# Altium PCB VOU_SOM_CV_V0.0.1.PcbDoc (part 1 of 4) (continued)
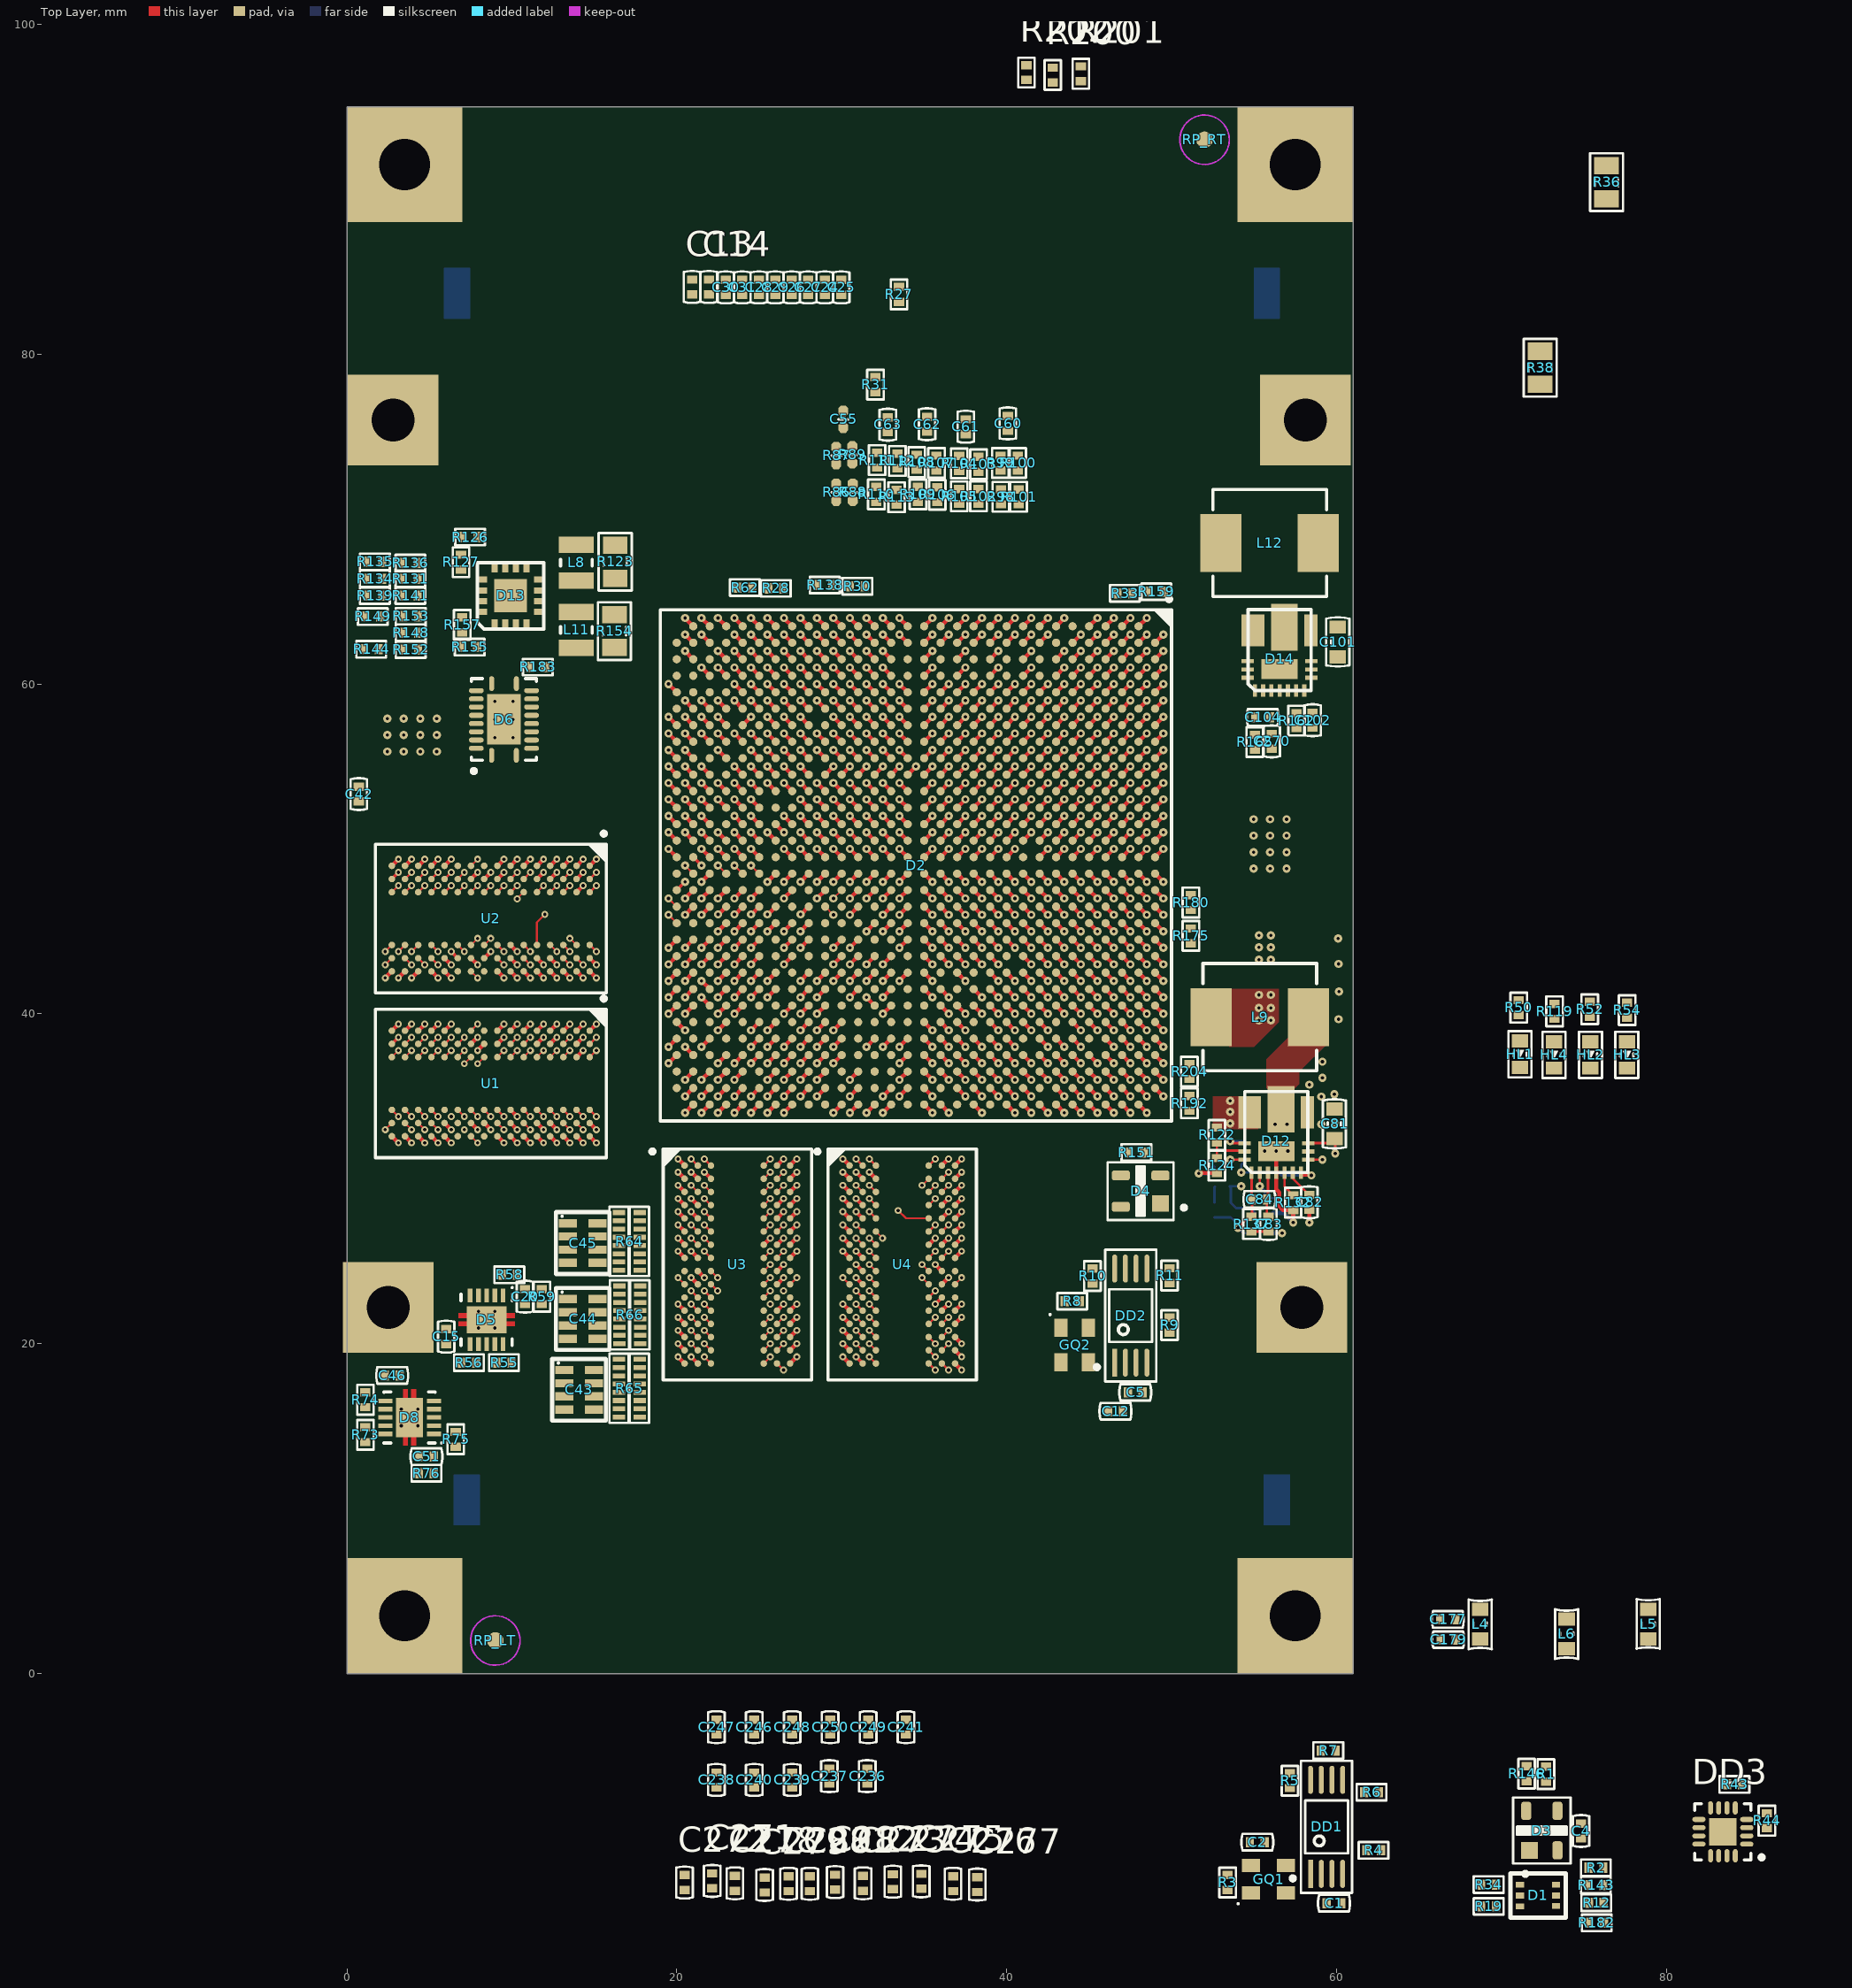
[diagram p0: Top Layer view]
## Components (designator, comment, footprint, x,y, rotation, side; value= is the part's Value field where it differs from the comment)
C1 "CC0402-X7R-0,1 мкФ-20%-10В" CC0402(1005) 59.85,-13.925 r0 top
C2 "CC0402-X7R-0,01 мкФ-10%-50В" CC0402(1005) 55.2,-10.225 r180 top
C3 "CC0402-X7R-0,1 мкФ-20%-10В" CC0402(1005) 72.175,-13.5 r180 bottom
C4 "CC0402-X7R-0,01 мкФ-10%-50В" CC0402(1005) 74.825,-9.55 r90 top
C5 "CC0402-X7R-0,1 мкФ-20%-10В" CC0402(1005) 47.8,17.05 r0 top
C6 "W3A4YC104KAT2A" CAF-80P319X159-8N 7.8,27.425 r90 bottom
C7 "W3A4YC104KAT2A" CAF-80P319X159-8N 12.15,27.55 r90 bottom
C8 "W3A4YC104KAT2A" CAF-80P319X159-8N 3.075,27.375 r90 bottom
C9 "CC0402-X7R-0,1 мкФ-20%-10В" CC0402(1005) 83.625,-8.15 r0 bottom
C10 "CC0402-X5R-10 мкФ-20%-6.3В" CC0402(1005) 84.875,-9.4 r90 bottom
C11 "CC0402-X7R-0,01 мкФ-10%-50В" CC0402(1005) 47.092,29.297 r180 bottom
C12 "CC0402-X7R-0,01 мкФ-10%-50В" CC0402(1005) 46.6,15.9 r180 top
C13 "CC0402-X7R-0,1 мкФ-20%-10В" CC0402(1005) 20.925,84.075 r90 top
C14 "CC0402-X7R-0,1 мкФ-20%-10В" CC0402(1005) 21.95,84.075 r90 top
C15 "CC0402-X7R-0,1 мкФ-20%-10В" CC0402(1005) 6.025,20.425 r90 top
C16 "CC0402-X5R-22 мкФ-20%-6.3В" CC0402(1005) 9.725,20.25 r90 bottom
C17 "CC0402-X5R-22 мкФ-20%-6.3В" CC0402(1005) 7.45,22.975 r270 bottom
C18 "CC0402-X5R-22 мкФ-20%-6.3В" CC0402(1005) 8.475,22.975 r270 bottom
C19 "CC0402-X5R-22 мкФ-20%-6.3В" CC0402(1005) 9.475,23.725 r270 bottom
C20 "CC0402-NP01000 пФ-1%-50В" CC0402(1005) 10.8,22.85 r270 top
C24 "CC0402-X7R-0,1 мкФ-20%-10В" CC0402(1005) 28.975,84.05 r90 top
C25 "CC0402-X7R-0,1 мкФ-20%-10В" CC0402(1005) 29.975,84.05 r90 top
C26 "CC0402-X7R-0,1 мкФ-20%-10В" CC0402(1005) 26.975,84.05 r90 top
C27 "CC0402-X7R-0,1 мкФ-20%-10В" CC0402(1005) 27.975,84.05 r90 top
C28 "CC0402-X7R-0,1 мкФ-20%-10В" CC0402(1005) 24.975,84.05 r90 top
C29 "CC0402-X7R-0,1 мкФ-20%-10В" CC0402(1005) 25.975,84.05 r90 top
C30 "CC0402-X7R-0,1 мкФ-20%-10В" CC0402(1005) 22.975,84.05 r90 top
C31 "CC0402-X7R-0,1 мкФ-20%-10В" CC0402(1005) 23.975,84.05 r90 top
C34 "CC0402-X7R-0,1 мкФ-20%-10В" CC0402(1005) 9.75,55.7 r0 bottom
C35 "CC0402-X7R-0,1 мкФ-20%-10В" CC0402(1005) 7.95,57.15 r270 bottom
C42 "CC0402-X7R-0,1 мкФ-20%-10В" CC0402(1005) 0.725,53.325 r270 top
C43 "W3A4YC104KAT2A" CAF-80P319X159-8N 14.075,17.2 r0 top
C44 "W3A4YC104KAT2A" CAF-80P319X159-8N 14.3,21.5 r0 top
C45 "W3A4YC104KAT2A" CAF-80P319X159-8N 14.3,26.1 r0 top
C46 "CC0402-X7R-0,1 мкФ-20%-10В" CC0402(1005) 2.75,18.075 r0 top
C47 "CC0402-X5R-4.7 мкФ-20%-6.3В" CC0402(1005) 2.6,14.225 r0 bottom
C48 "CC0402-X5R-22 мкФ-20%-6.3В" CC0402(1005) 5.35,16.525 r180 bottom
C49 "CC0402-X5R-22 мкФ-20%-6.3В" CC0402(1005) 5.325,15.525 r180 bottom
C50 "CC0402-X5R-22 мкФ-20%-6.3В" CC0402(1005) 3.575,12.475 r90 bottom
C51 "CC0402-NP01000 пФ-1%-50В" CC0402(1005) 4.825,13.15 r180 top
C52 "CC0402-X7R-0,1 мкФ-20%-10В" CC0402(1005) 53.78,54.24 r180 bottom
C53 "CC0402-NP0-100 пФ-1%-50В" CC0402(1005)_OCT 50.075,75.375 r270 bottom
C54 "CC0402-NP0-100 пФ-1%-50В" CC0402(1005)_OCT 48.15,75.45 r270 bottom
C55 "CC0402-NP0-100 пФ-1%-50В" CC0402(1005)_OCT 30.1,76.05 r270 top
C56 "CC0402-NP0-100 пФ-1%-50В" CC0402(1005)_OCT 42.2,75.275 r270 bottom
C57 "CC0402-NP0-100 пФ-1%-50В" CC0402(1005)_OCT 45.15,75.425 r270 bottom
C60 "CC0402-NP0-100 пФ-1%-50В" CC0402(1005) 40.075,75.8 r270 top
C61 "CC0402-NP0-100 пФ-1%-50В" CC0402(1005) 37.525,75.6 r270 top
C62 "CC0402-NP0-100 пФ-1%-50В" CC0402(1005) 35.175,75.75 r270 top
C63 "CC0402-NP0-100 пФ-1%-50В" CC0402(1005) 32.8,75.725 r270 top
C64 "CC0402-NP0-100 пФ-1%-50В" CC0402(1005) 53.025,75.3 r270 bottom
C68 "CC0603-X5R-47 мкФ-20%-6,3В" CC0603 55.7,38.1 r0 bottom
C69 "CC0603-X5R-47 мкФ-20%-6,3В" CC0603 52.55,31.625 r270 bottom
C70 "CC0402-X7R-0,1 мкФ-20%-10В" CC0402(1005)_OCT 33,60 r270 bottom
C72 "CC0603-X5R-22 мкФ-20%-6,3В" CC0603 16.894,67.01 r0 bottom
C73 "CC0603-X5R-22 мкФ-20%-6,3В" CC0603 16.894,68.435 r0 bottom
C74 "CC0402-X7R-2200 пФ-10%-16В" CC0402(1005) 53.075,29.525 r0 bottom
C75 "CC0603-X5R-22 мкФ-20%-6,3В" CC0603 55.7,34.525 r0 bottom
C76 "CC0603-X5R-22 мкФ-20%-6,3В" CC0603 55.7,36.3 r0 bottom
C77 "CC0603-X5R-22 мкФ-20%-6,3В" CC0603 58.075,39.65 r0 bottom
C78 "CC0603-X5R-22 мкФ-20%-6,3В" CC0603 58.075,41.375 r0 bottom
C79 "CC0603-X5R-22 мкФ-20%-6,3В" CC0603 58,44.575 r0 bottom
C80 "CC0603-X5R-22 мкФ-20%-6,3В" CC0603 58.05,43.05 r0 bottom
C81 "CC0603-X5R-1 мкФ-10%-25В" CC0603 59.875,33.325 r270 top
C82 "CC0402-X7R-0,1 мкФ-20%-10В" CC0402(1005) 58.35,28.575 r90 top
C83 "CC0402-X7R-0,01 мкФ-10%-50В" CC0402(1005) 55.875,27.25 r270 top
C84 "CC0402-NP0-270 пФ-1%-50В" CC0402(1005) 55.325,28.75 r0 top
C87 "CC0603-X5R-22 мкФ-20%-6,3В" CC0603 34.5,64.625 r90 bottom
C88 "CC0603-X5R-22 мкФ-20%-6,3В" CC0603 9.069,63.81 r180 bottom
C89 "CC0603-X5R-47 мкФ-20%-6,3В" CC0603 57.55,65.45 r0 bottom
C90 "CC0603-X5R-47 мкФ-20%-6,3В" CC0603 57.575,66.775 r0 bottom
C91 "CC0603-X5R-22 мкФ-20%-6,3В" CC0603 16.819,62.36 r0 bottom
C92 "CC0603-X5R-22 мкФ-20%-6,3В" CC0603 16.819,63.735 r0 bottom
C93 "CC0402-X7R-0,1 мкФ-20%-10В" CC0402(1005) 54.7,60.8 r270 bottom
C94 "CC0402-X7R-4700 пФ-10%-50В" CC0402(1005)_OCT 30,57 r90 bottom
C95 "CC0603-X5R-22 мкФ-20%-6,3В" CC0603 57.55,65.45 r0 bottom
C96 "CC0603-X5R-22 мкФ-20%-6,3В" CC0603 57.6,68.075 r0 bottom
C97 "CC0603-X5R-22 мкФ-20%-6,3В" CC0603 57.675,69.525 r0 bottom
C98 "CC0603-X5R-22 мкФ-20%-6,3В" CC0603 57.675,70.975 r0 bottom
C99 "CC0603-X5R-22 мкФ-20%-6,3В" CC0603 66.775,69.45 r180 bottom
C100 "CC0603-X5R-22 мкФ-20%-6,3В" CC0603 66.825,67.85 r180 bottom
C101 "CC0603-X5R-1 мкФ-10%-25В" CC0603 60.075,62.55 r270 top
C102 "CC0402-X7R-0,1 мкФ-20%-10В" CC0402(1005) 58.55,57.8 r90 top
C103 "CC0402-X7R-0,01 мкФ-10%-50В" CC0402(1005)_OCT 37,61 r270 bottom
C104 "CC0402-NP0-270 пФ-1%-50В" CC0402(1005) 55.525,57.975 r0 top
C105 "CC0402-X7R-0,1 мкФ-20%-10В" CC0402(1005)_OCT 30,60 r270 bottom
C106 "CC0402-X7R-0,01 мкФ-10%-50В" CC0402(1005)_OCT 39,60 r270 bottom
C107 "CC0402-X7R-0,01 мкФ-10%-50В" CC0402(1005)_OCT 20.5,54.5 r180 bottom
C108 "CC0402-X7R-0,01 мкФ-10%-50В" CC0402(1005)_OCT 24,43 r270 bottom
C109 "CC0402-X7R-0,01 мкФ-10%-50В" CC0402(1005)_OCT 23.5,50.5 r0 bottom
C110 "CC0402-X7R-0,1 мкФ-20%-10В" CC0402(1005)_OCT 20.5,38.5 r0 bottom
C111 "CC0402-X7R-0,1 мкФ-20%-10В" CC0402(1005)_OCT 29.5,46.5 r180 bottom
C112 "CC0402-X7R-0,01 мкФ-10%-50В" CC0402(1005)_OCT 25.5,54.5 r180 bottom
C113 "CC0402-X7R-0,01 мкФ-10%-50В" CC0402(1005)_OCT 36,46 r270 bottom
C114 "CC0402-X7R-0,01 мкФ-10%-50В" CC0402(1005)_OCT 32.5,44.5 r0 bottom
C115 "CC0402-X7R-0,01 мкФ-10%-50В" CC0402(1005)_OCT 39,45 r270 bottom
C116 "CC0402-X7R-0,01 мкФ-10%-50В" CC0402(1005)_OCT 36,54 r90 bottom
C117 "CC0402-X7R-0,01 мкФ-10%-50В" CC0402(1005)_OCT 36,52 r90 bottom
C118 "CC0402-X7R-0,01 мкФ-10%-50В" CC0402(1005)_OCT 35,50 r90 bottom
C119 "CC0402-X7R-0,01 мкФ-10%-50В" CC0402(1005)_OCT 33,43 r90 bottom
C120 "CC0402-X7R-0,01 мкФ-10%-50В" CC0402(1005)_OCT 32.5,51.5 r180 bottom
C121 "CC0402-X7R-0,01 мкФ-10%-50В" CC0402(1005)_OCT 27.5,45.5 r180 bottom
C122 "CC0402-X7R-0,01 мкФ-10%-50В" CC0402(1005)_OCT 26,49 r90 bottom
C123 "CC0402-X7R-0,1 мкФ-20%-10В" CC0402(1005)_OCT 28,60 r270 bottom
C124 "CC0402-X7R-0,1 мкФ-20%-10В" CC0402(1005)_OCT 31,60 r270 bottom
C125 "CC0402-X7R-0,01 мкФ-10%-50В" CC0402(1005)_OCT 32,60 r270 bottom
C126 "CC0402-X7R-0,01 мкФ-10%-50В" CC0402(1005)_OCT 36,60 r270 bottom
C127 "CC0402-X7R-0,01 мкФ-10%-50В" CC0402(1005)_OCT 30.5,51.5 r180 bottom
C128 "CC0402-X7R-0,01 мкФ-10%-50В" CC0402(1005)_OCT 38.5,48.5 r0 bottom
C129 "CC0402-X7R-0,01 мкФ-10%-50В" CC0402(1005)_OCT 35,55 r270 bottom
C130 "CC0402-X7R-0,01 мкФ-10%-50В" CC0402(1005)_OCT 37,49 r90 bottom
C131 "CC0402-X7R-0,01 мкФ-10%-50В" CC0402(1005)_OCT 32.5,49.5 r180 bottom
C132 "CC0402-X7R-0,01 мкФ-10%-50В" CC0402(1005)_OCT 35.5,48.5 r180 bottom
C133 "CC0402-X7R-0,01 мкФ-10%-50В" CC0402(1005)_OCT 38,52 r90 bottom
C134 "CC0402-X7R-0,01 мкФ-10%-50В" CC0402(1005)_OCT 38,50 r90 bottom
C135 "CC0402-X7R-0,01 мкФ-10%-50В" CC0402(1005)_OCT 24.5,36.5 r0 bottom
C136 "CC0402-X7R-0,01 мкФ-10%-50В" CC0402(1005)_OCT 31,42 r270 bottom
C137 "CC0402-X7R-0,01 мкФ-10%-50В" CC0402(1005)_OCT 32.5,41.5 r0 bottom
C138 "CC0402-X7R-0,1 мкФ-20%-10В" CC0402(1005)_OCT 43,54 r90 bottom
C139 "CC0402-X7R-0,1 мкФ-20%-10В" CC0402(1005)_OCT 28.5,53.5 r180 bottom
C140 "CC0402-X7R-0,01 мкФ-10%-50В" CC0402(1005)_OCT 27.5,48.5 r0 bottom
C141 "CC0402-X7R-0,01 мкФ-10%-50В" CC0402(1005)_OCT 25,42 r90 bottom
C142 "CC0402-X7R-0,01 мкФ-10%-50В" CC0402(1005)_OCT 40,54 r90 bottom
C143 "CC0402-X7R-0,01 мкФ-10%-50В" CC0402(1005)_OCT 39.5,51.5 r0 bottom
C144 "CC0402-X7R-0,01 мкФ-10%-50В" CC0402(1005)_OCT 21.5,61.5 r0 bottom
C145 "CC0402-X7R-0,01 мкФ-10%-50В" CC0402(1005)_OCT 25.5,57.5 r180 bottom
C146 "CC0402-X7R-0,01 мкФ-10%-50В" CC0402(1005)_OCT 29.5,52.5 r0 bottom
C147 "CC0402-X7R-0,01 мкФ-10%-50В" CC0402(1005)_OCT 35.5,47.5 r0 bottom
C148 "CC0402-X7R-0,01 мкФ-10%-50В" CC0402(1005)_OCT 29,57 r270 bottom
C149 "CC0402-X7R-0,01 мкФ-10%-50В" CC0402(1005)_OCT 39,57 r270 bottom
C150 "CC0402-X7R-0,01 мкФ-10%-50В" CC0402(1005)_OCT 36,56 r270 bottom
C151 "CC0402-X7R-0,01 мкФ-10%-50В" CC0402(1005)_OCT 39.5,52.5 r180 bottom
C152 "CC0402-X7R-0,01 мкФ-10%-50В" CC0402(1005)_OCT 32.5,53.5 r0 bottom
C153 "CC0402-X7R-0,01 мкФ-10%-50В" CC0402(1005)_OCT 38,55 r90 bottom
C154 "CC0402-X7R-0,01 мкФ-10%-50В" CC0402(1005)_OCT 28.5,36.5 r180 bottom
C155 "CC0402-X7R-0,01 мкФ-10%-50В" CC0402(1005)_OCT 38,58 r270 bottom
C156 "CC0402-X7R-0,01 мкФ-10%-50В" CC0402(1005)_OCT 28,57 r270 bottom
C157 "CC0402-X7R-0,01 мкФ-10%-50В" CC0402(1005)_OCT 31,57 r270 bottom
C158 "CC0402-X7R-0,01 мкФ-10%-50В" CC0402(1005)_OCT 36,58 r270 bottom
C159 "CC0402-X7R-0,01 мкФ-10%-50В" CC0402(1005)_OCT 41,56 r270 bottom
C160 "CC0402-X7R-0,1 мкФ-20%-10В" CC0402(1005)_OCT 32,57 r270 bottom
C161 "CC0402-X7R-0,1 мкФ-20%-10В" CC0402(1005)_OCT 40,56 r270 bottom
C162 "CC0603-X5R-22 мкФ-20%-6,3В" CC0603 29.55,39.625 r270 bottom
C163 "CC0603-X5R-22 мкФ-20%-6,3В" CC0603 34.5,57.4 r270 bottom
C164 "CC0402-X7R-0,01 мкФ-10%-50В" CC0402(1005)_OCT 48.5,58.5 r0 bottom
C165 "CC0402-X7R-0,01 мкФ-10%-50В" CC0402(1005)_OCT 48.5,54.5 r180 bottom
C166 "CC0402-X7R-0,1 мкФ-20%-10В" CC0402(1005)_OCT 42,53 r270 bottom
C167 "CC0402-X7R-0,01 мкФ-10%-50В" CC0402(1005)_OCT 20.5,49.5 r180 bottom
C168 "CC0402-X7R-4700 пФ-10%-50В" CC0402(1005)_OCT 31.5,46.5 r180 bottom
C169 "CC0402-X7R-4700 пФ-10%-50В" CC0402(1005)_OCT 37.5,45.5 r0 bottom
C170 "CC0402-X7R-4700 пФ-10%-50В" CC0402(1005)_OCT 39.5,47.5 r0 bottom
C171 "CC0402-X7R-4700 пФ-10%-50В" CC0402(1005)_OCT 37,47 r90 bottom
C172 "CC0402-X7R-4700 пФ-10%-50В" CC0402(1005)_OCT 31.5,43.5 r180 bottom
C173 "CC0402-X7R-4700 пФ-10%-50В" CC0402(1005)_OCT 32.5,47.5 r180 bottom
C174 "CC0402-X7R-4700 пФ-10%-50В" CC0402(1005)_OCT 31.5,52.5 r0 bottom
C175 "CC0402-X7R-0,01 мкФ-10%-50В" CC0402(1005)_OCT 28.5,51.5 r0 bottom
C176 "CC0402-X7R-0,1 мкФ-20%-10В" CC0402(1005)_OCT 42,42 r90 bottom
C177 "CC0402-X7R-0,1 мкФ-20%-10В" CC0402(1005) 66.75,3.275 r0 top
C178 "CC0402-X7R-0,01 мкФ-10%-50В" CC0402(1005)_OCT 41,42 r90 bottom
C179 "CC0402-X7R-0,01 мкФ-10%-50В" CC0402(1005) 66.775,2.05 r0 top
C180 "CC0402-X7R-4700 пФ-10%-50В" CC0402(1005)_OCT 34,46 r90 bottom
C181 "CC0402-X7R-4700 пФ-10%-50В" CC0402(1005)_OCT 33.5,52.5 r0 bottom
C182 "CC0402-X7R-4700 пФ-10%-50В" CC0402(1005)_OCT 32.5,48.5 r0 bottom
C183 "CC0402-X7R-4700 пФ-10%-50В" CC0402(1005)_OCT 30.525,49.5 r180 bottom
C184 "CC0402-X7R-4700 пФ-10%-50В" CC0402(1005)_OCT 37,51 r90 bottom
C185 "CC0402-X7R-4700 пФ-10%-50В" CC0402(1005)_OCT 32,55 r90 bottom
C186 "CC0402-X7R-4700 пФ-10%-50В" CC0402(1005)_OCT 37,55 r90 bottom
C187 "CC0402-X7R-4700 пФ-10%-50В" CC0402(1005)_OCT 37,53 r90 bottom
C188 "CC0402-X7R-0,01 мкФ-10%-50В" CC0402(1005)_OCT 42,56 r90 bottom
C189 "CC0402-X7R-0.047 мкФ-10%-50В" CC0402(1005)_OCT 38.5,46.5 r180 bottom
C190 "CC0402-X7R-0.047 мкФ-10%-50В" CC0402(1005)_OCT 34,48 r90 bottom
C191 "CC0402-X7R-0.047 мкФ-10%-50В" CC0402(1005)_OCT 33,55 r90 bottom
C192 "CC0402-X7R-0.047 мкФ-10%-50В" CC0402(1005)_OCT 35,52 r90 bottom
C193 "CC0402-X7R-0.047 мкФ-10%-50В" CC0402(1005)_OCT 29.5,50.5 r180 bottom
C194 "CC0402-X7R-0,01 мкФ-10%-50В" CC0402(1005)_OCT 41.5,38.5 r0 bottom
C195 "CC0402-X7R-0,01 мкФ-10%-50В" CC0402(1005)_OCT 47,37 r270 bottom
C196 "CC0402-X7R-0,01 мкФ-10%-50В" CC0402(1005)_OCT 40.5,36.5 r180 bottom
C197 "CC0402-X7R-0,1 мкФ-20%-10В" CC0402(1005)_OCT 44.5,34.5 r180 bottom
C198 "CC0402-X7R-0,1 мкФ-20%-10В" CC0402(1005)_OCT 38.5,43.5 r180 bottom
C199 "CC0402-X5R-10 мкФ-20%-6.3В" CC0402(1005)_OCT 33,46 r90 bottom
C200 "CC0402-X5R-10 мкФ-20%-6.3В" CC0402(1005)_OCT 38.5,53.5 r180 bottom
C201 "CC0402-X5R-10 мкФ-20%-6.3В" CC0402(1005)_OCT 31,54 r90 bottom
C202 "CC0805-X5R-100 мкФ-20%-4В" CC0805 81.58,9.742 r90 bottom
C203 "CC0805-X5R-100 мкФ-20%-4В" CC0805 78.175,9.5 r90 bottom
C204 "CC0805-X5R-100 мкФ-20%-4В" CC0805 87.7,10.4 r90 bottom
C205 "CC0805-X5R-100 мкФ-20%-4В" CC0805 84.688,9.742 r90 bottom
C206 "CC0402-X7R-0,01 мкФ-10%-50В" CC0402(1005)_OCT 36,44 r270 bottom
C207 "CC0402-X7R-0,01 мкФ-10%-50В" CC0402(1005)_OCT 38.5,42.5 r180 bottom
C208 "CC0402-X7R-0,01 мкФ-10%-50В" CC0402(1005)_OCT 41.5,45.5 r180 bottom
C209 "CC0402-X7R-0,01 мкФ-10%-50В" CC0402(1005)_OCT 41,47 r90 bottom
C210 "CC0402-X7R-0,1 мкФ-20%-10В" CC0402(1005)_OCT 37.5,44.5 r180 bottom
C211 "CC0402-X7R-0,1 мкФ-20%-10В" CC0402(1005)_OCT 31.5,50.5 r180 bottom
C212 "CC0402-X7R-0,1 мкФ-20%-10В" CC0402(1005)_OCT 37.5,56.5 r0 bottom
C213 "CC0402-X7R-0,22 мкФ-10%-6.3В" CC0402(1005)_OCT 39.5,50.5 r180 bottom
C214 "CC0402-X7R-0,22 мкФ-10%-6.3В" CC0402(1005)_OCT 36,50 r90 bottom
C215 "CC0402-X7R-0,47 мкФ-10%-6.3В" CC0402(1005)_OCT 33.5,50.5 r180 bottom
C216 "CC0402-X5R-1 мкФ-10%-6.3В" CC0402(1005)_OCT 31.5,45.5 r0 bottom
C217 "CC0402-X7R-0,01 мкФ-10%-50В" CC0402(1005)_OCT 44.5,42.5 r180 bottom
C218 "CC0402-X7R-0,01 мкФ-10%-50В" CC0402(1005)_OCT 43.5,45.5 r0 bottom
C219 "CC0402-X7R-0,01 мкФ-10%-50В" CC0402(1005)_OCT 47.5,45.5 r180 bottom
C220 "CC0402-X7R-0,01 мкФ-10%-50В" CC0402(1005) -6.65,28.221 r90 bottom
C221 "CC0402-X7R-0,01 мкФ-10%-50В" CC0402(1005) -4.35,28.221 r90 bottom
C222 "CC0402-X7R-0,01 мкФ-10%-50В" CC0402(1005) -8.95,28.221 r90 bottom
C223 "CC0402-X7R-0,1 мкФ-20%-10В" CC0402(1005) -13.55,28.221 r90 bottom
C224 "CC0402-X7R-0,1 мкФ-20%-10В" CC0402(1005) -11.25,28.221 r90 bottom
C225 "CC0402-X7R-0,1 мкФ-20%-10В" CC0402(1005) -15.85,31.421 r90 bottom
C226 "CC0402-X7R-0,01 мкФ-10%-50В" CC0402(1005)_OCT 46.5,49.5 r180 bottom
C227 "CC0402-X7R-4700 пФ-10%-50В" CC0402(1005) -6.65,31.421 r90 bottom
C228 "CC0402-X7R-4700 пФ-10%-50В" CC0402(1005) -4.35,31.421 r90 bottom
C229 "CC0402-X7R-0,22 мкФ-10%-6.3В" CC0402(1005) -8.95,31.421 r90 bottom
C230 "CC0402-X7R-0,22 мкФ-10%-6.3В" CC0402(1005) -13.55,31.421 r90 bottom
C231 "CC0402-X7R-0,47 мкФ-10%-6.3В" CC0402(1005) -11.25,31.421 r90 bottom
C232 "CC0402-X7R-0,1 мкФ-20%-10В" CC0402(1005)_OCT 40,42 r90 bottom
C233 "CC0402-X7R-0,1 мкФ-20%-10В" CC0402(1005)_OCT 81.375,2.825 r270 bottom
C234 "CC0402-X7R-0,01 мкФ-10%-50В" CC0402(1005)_OCT 40,44 r270 bottom
C235 "CC0402-X7R-0,01 мкФ-10%-50В" CC0402(1005)_OCT 80.309,2.882 r270 bottom
C236 "CC0402-X7R-0,01 мкФ-10%-50В" CC0402(1005) 31.55,-6.229 r90 top
C237 "CC0402-X7R-0,01 мкФ-10%-50В" CC0402(1005) 29.25,-6.229 r90 top
C238 "CC0402-X7R-0,01 мкФ-10%-50В" CC0402(1005) 22.4,-6.454 r90 top
C239 "CC0402-X7R-0,1 мкФ-20%-10В" CC0402(1005) 27,-6.454 r90 top
C240 "CC0402-X7R-0,1 мкФ-20%-10В" CC0402(1005) 24.7,-6.454 r90 top
C241 "CC0402-X7R-0,1 мкФ-20%-10В" CC0402(1005) 33.9,-3.254 r90 top
C242 "CC0402-X7R-0,1 мкФ-20%-10В" CC0402(1005)_OCT 43,40 r90 bottom
C243 "CC0402-X7R-0,1 мкФ-20%-10В" CC0402(1005)_OCT 41.5,43.5 r0 bottom
C244 "CC0402-X7R-0,01 мкФ-10%-50В" CC0402(1005)_OCT 44,40 r90 bottom
C245 "CC0402-X7R-0,01 мкФ-10%-50В" CC0402(1005)_OCT 41.5,44.5 r0 bottom
C246 "CC0402-X7R-4700 пФ-10%-50В" CC0402(1005) 24.7,-3.254 r90 top
C247 "CC0402-X7R-4700 пФ-10%-50В" CC0402(1005) 22.4,-3.254 r90 top
C248 "CC0402-X7R-0,22 мкФ-10%-6.3В" CC0402(1005) 27,-3.254 r90 top
C249 "CC0402-X7R-0,22 мкФ-10%-6.3В" CC0402(1005) 31.6,-3.254 r90 top
C250 "CC0402-X7R-0,47 мкФ-10%-6.3В" CC0402(1005) 29.3,-3.254 r90 top
C251 "CC0402-X7R-0,1 мкФ-20%-10В" CC0402(1005)_OCT 41.5,54.5 r180 bottom
C252 "CC0402-X7R-0,1 мкФ-20%-10В" CC0402(1005)_OCT 28.5,55.5 r180 bottom
C253 "CC0402-X7R-0,1 мкФ-20%-10В" CC0402(1005)_OCT 28.5,41.5 r180 bottom
C254 "CC0402-X7R-0,22 мкФ-10%-6.3В" CC0402(1005)_OCT 46.5,43.5 r180 bottom
C255 "CC0402-X7R-0,01 мкФ-10%-50В" CC0402(1005)_OCT 40,46 r270 bottom
C256 "CC0402-X7R-0,01 мкФ-10%-50В" CC0402(1005)_OCT 43.5,47.5 r180 bottom
C257 "CC0402-X7R-0,01 мкФ-10%-50В" CC0402(1005)_OCT 42,47 r90 bottom
C258 "CC0402-X7R-0,01 мкФ-10%-50В" CC0402(1005)_OCT 43,42 r90 bottom
C259 "CC0402-X7R-0,1 мкФ-20%-10В" CC0402(1005)_OCT 29.5,54.5 r180 bottom
C260 "CC0402-X7R-0,1 мкФ-20%-10В" CC0402(1005)_OCT 43,59 r270 bottom
C261 "CC0402-X7R-0,1 мкФ-20%-10В" CC0402(1005)_OCT 21.5,34.5 r0 bottom
C262 "CC0402-X7R-0,22 мкФ-10%-6.3В" CC0402(1005)_OCT 43.5,52.5 r0 bottom
C263 "CC0402-X7R-0,01 мкФ-10%-50В" CC0402(1005)_OCT 47.5,61.5 r0 bottom
C264 "CC0402-X7R-0,01 мкФ-10%-50В" CC0402(1005)_OCT 25,44 r270 bottom
C265 "CC0402-X7R-0,01 мкФ-10%-50В" CC0402(1005)_OCT 46,56 r90 bottom
C266 "CC0402-X7R-0,01 мкФ-10%-50В" CC0402(1005)_OCT 46.5,59.5 r180 bottom
C267 "CC0402-X7R-0,1 мкФ-20%-10В" CC0402(1005) 54.5,31.575 r270 bottom
C268 "CC0603-X5R-22 мкФ-20%-6,3В" CC0603 8.694,66.985 r180 bottom
C269 "CC0402-X7R-2200 пФ-10%-16В" CC0402(1005) 56.1,57.525 r270 bottom
C270 "CC0402-X7R-0,01 мкФ-10%-50В" CC0402(1005) 56.075,56.525 r270 top
C271 "CC0402-X5R-10 мкФ-20%-6.3В" CC0402(1005) 22.15,-12.575 r270 top
C272 "CC0402-X5R-10 мкФ-20%-6.3В" CC0402(1005) 20.475,-12.675 r270 top
C273 "CC0402-X5R-10 мкФ-20%-6.3В" CC0402(1005) 31.3,-12.725 r90 top
C274 "CC0402-X7R-0,01 мкФ-10%-50В" CC0402(1005) 33.1,-12.625 r90 top
C275 "CC0402-X7R-0,1 мкФ-20%-10В" CC0402(1005) 34.825,-12.6 r90 top
C276 "CC0402-X7R-0,01 мкФ-10%-50В" CC0402(1005) 36.75,-12.75 r90 top
C277 "CC0402-X7R-0,1 мкФ-20%-10В" CC0402(1005) 38.225,-12.8 r90 top
C278 "CC0402-X5R-10 мкФ-20%-6.3В" CC0402(1005) 23.525,-12.725 r90 top
C279 "CC0402-X7R-0,01 мкФ-10%-50В" CC0402(1005) 25.325,-12.825 r90 top
C280 "CC0402-X7R-0,1 мкФ-20%-10В" CC0402(1005) 26.775,-12.75 r90 top
C281 "CC0402-X7R-0,01 мкФ-10%-50В" CC0402(1005) 28.075,-12.75 r90 top
C282 "CC0402-X7R-0,1 мкФ-20%-10В" CC0402(1005) 29.6,-12.65 r90 top
D1 "SN74LVC2G07DCKR" DCKR 72.5,-14.125 r90 top
D2 "5CSXFC6D6F31I7N" ALTR-FBGA896_A-200 34.5,49 r270 top locked
D3 "ADM811TARTZ" SOT-143 72.45,-9.525 r90 top
D4 "ADM811TARTZ" SOT-143 48.125,29.25 r180 top
D5 "TPS51200DRCR" TI-DRC10-2400X1650TP_V 8.475,21.45 r270 top
D6 "TXS0108ERGYR" QFN50P450X350X100_HS-21N 9.525,57.85 r90 top
D7 "MT25QL512ABB1EW9-0SIT" SON127P800X80_HS-9N 3.95,56.9 r270 bottom
D8 "TPS51200DRCR" TI-DRC10-2400X1650TP_V 3.8,15.525 r180 top
D9 "MT25QL512ABB1EW9-0SIT" SON127P800X80_HS-9N 55.975,50.3 r180 bottom
D12 "IR3859MTRPBF" IR3859 54.85,30.375 r90 top
D13 "RT8012AGQW" RT8012AGQW 8.95,63.725 r90 top
D14 "IR3859MTRPBF" IR3859 55.05,59.6 r90 top
DD1 "CDCLVC1104PWR" TSSOP-8 59.4,-9.3 r90 top
DD2 "CDCLVC1104PWR" TSSOP-8 47.525,21.7 r90 top
DD3 "CDCLVD2102RGTT" QFN50P300X300X100_HS-17N 83.425,-9.6 r180 top
GQ1 "ASEMB-50.000MHZ-XY-T" DFN210P320X100-4N 55.875,-12.475 r0 top
GQ2 "ASEMB-25.000MHZ-XY-T" DFN210P320X100-4N 44.125,19.925 r270 top
HL1 "KPT-1608SURC" LED0603_RED 71.125,37.55 r270 top
HL2 "KPT-1608SYC" LED0603_YELLOW 75.397,37.508 r270 top
HL3 "KPT-1608ZGC" LED0603_GREEN 77.605,37.508 r270 top
HL4 "KPT-1608ZGC" LED0603_GREEN 73.189,37.508 r270 top
L1 "MH1608-600Y" CL0805 73.175,10 r90 bottom
L2 "MH1608-600Y" CL0805 70.5,10.075 r90 bottom
L3 "BLM18PG-60 Ом" CL0603 41.9,49 r0 bottom
L4 "BLM18PG-60 Ом" CL0603 68.71,2.992 r90 top
L5 "BLM18PG-60 Ом" CL0603 78.9,3 r270 top
L6 "BLM18PG-60 Ом" CL0603 73.95,2.4 r90 top
L8 "IHHP1008AZER1R5M01" INDC2720X12L 13.919,67.36 r90 top
L9 "IHLP2525CZERR68M01" IHPL2525 55.35,39.8 r180 top
L11 "IHHP1008AZER1R5M01" INDC2720X12L 13.919,63.285 r270 top
L12 "IHLP2525CZERR33M01" IHPL2525 55.95,68.55 r180 top
L13 "BLM18PG-60 Ом" CL0603 34.5,60.45 r90 bottom
R1 "CR0402-10 кОм-±5%" CR0402(1005) 72.7,-6.1 r270 top
R2 "CR0402-10 кОм-±5%" CR0402(1005) 75.725,-11.775 r180 top
R3 "CR0402-4.7 кОм-±5%" CR0402(1005) 53.4,-12.675 r270 top
R4 "CR0402-22 Ом-±5%" CR0402(1005) 62.25,-10.725 r0 top
R5 "CR0402-22 Ом-±5%" CR0402(1005) 57.175,-6.5 r90 top
R6 "CR0402-22 Ом-±5%" CR0402(1005) 62.125,-7.2 r0 top
R7 "CR0402-22 Ом-±5%" CR0402(1005) 59.5,-4.675 r0 top
R8 "CR0402-4.7 кОм-±5%" CR0402(1005) 43.975,22.575 r180 top
R9 "CR0402-22 Ом-±5%" CR0402(1005) 49.875,21.125 r90 top
R10 "CR0402-22 Ом-±5%" CR0402(1005) 45.2,24.1 r270 top
R11 "CR0402-22 Ом-±5%" CR0402(1005) 49.875,24.125 r270 top
R12 "CR0402-0 Ом-±5%" CR0402(1005) 75.75,-13.9 r0 top
R13 "CR0402-10 кОм-±5%" CR0402(1005) 47.092,28.297 r180 bottom
R14 "YC248-JR-07-22 Ом" YC248 25.425,4.575 r0 bottom
R15 "YC248-JR-07-22 Ом" YC248 42.075,4.575 r0 bottom
R16 "YC248-JR-07-22 Ом" YC248 25.325,16.1 r180 bottom
R17 "YC248-JR-07-22 Ом" YC248 46.575,4.65 r0 bottom
R18 "CR0402-10 кОм-±5%" CR0402(1005) 47.092,30.297 r0 bottom
R19 "CR0402-0 Ом-±5%" CR0402(1005) 69.225,-14.125 r180 top
R20 "YC248-JR-07-22 Ом" YC248 34.475,78.425 r180 bottom
R21 "YC248-JR-07-22 Ом" YC248 34.325,89.425 r180 bottom
R22 "YC248-JR-07-VALUE" YC248 30.05,4.575 r0 bottom
R23 "YC248-JR-07-22 Ом" YC248 43.875,16.35 r180 bottom
R24 "YC248-JR-07-22 Ом" YC248 49.8,16.6 r180 bottom
R25 "YC248-JR-07-22 Ом" YC248 51.275,4.725 r0 bottom
R26 "YC248-JR-07-22 Ом" YC248 39.175,78.325 r0 bottom
R27 "CR0402-22 Ом-±5%" CR0402(1005) 33.475,83.625 r90 top
R28 "CR0402-0 Ом-±5%" CR0402(1005) 26,65.8 r0 top
R29 "YC248-JR-07-22 Ом" YC248 39.525,89.425 r180 bottom
R30 "CR0402-0 Ом-±5%" CR0402(1005) 30.95,65.925 r180 top
R31 "CR0402-22 Ом-±5%" CR0402(1005) 32.05,78.15 r270 top
R32 "CR0402-0 Ом-±5%" CR0402(1005)_OCT 37,58 r270 bottom
R33 "CR0402-0 Ом-±5%" CR0402(1005) 47.175,65.5 r0 top
R34 "CR0402-0 Ом-±5%" CR0402(1005) 69.225,-12.8 r180 top
R35 "CR0402-10 кОм-±5%" CR0402(1005)_OCT 23.5,61.5 r0 bottom
R36 "CR0805-0 Ом-±5%" CR0805 76.375,90.425 r90 top
R37 "CR0402-10 кОм-±5%" CR0402(1005)_OCT 23.5,60.5 r0 bottom
R38 "CR0805-0 Ом-±5%" CR0805 72.35,79.175 r90 top
R39 "CR0402-10 кОм-±5%" CR0402(1005)_OCT 23.5,57.5 r180 bottom
R40 "YC248-JR-07-51 Ом" YC248 3.2,30.225 r0 bottom
R41 "YC248-JR-07-51 Ом" YC248 12.05,30.275 r0 bottom
R42 "YC248-JR-07-51 Ом" YC248 7.6,30.225 r0 bottom
R43 "CR0402-22 Ом-±5%" CR0402(1005) 84.125,-6.725 r180 top
R44 "CR0402-22 Ом-±5%" CR0402(1005) 86.1,-8.925 r270 top
R45 "CR0402-4.7 кОм-±5%" CR0402(1005) 85.95,-9.4 r270 bottom
R47 "CR0402-240 Ом-±TOLERANCE" CR0402(1005) 7.125,32.025 r270 bottom
R48 "CR0402-240 Ом-±TOLERANCE" CR0402(1005) 6.85,41.05 r270 bottom
R49 "CR0402-2 кОм-±5%" CR0402(1005) 1.6,48.625 r270 bottom
R50 "CR0402-240 Ом-±5%" CR0402(1005) 71.05,40.375 r90 top
R51 "CR0402-10 кОм-±5%" CR0402(1005)_OCT 22.5,35.475 r180 bottom
R52 "CR0402-240 Ом-±5%" CR0402(1005) 75.35,40.275 r90 top
R53 "CR0402-100 Ом-±TOLERANCE" CR0402(1005) 8.35,34.6 r0 bottom
R54 "CR0402-240 Ом-±5%" CR0402(1005) 77.625,40.225 r90 top
R55 "CR0402-100 кОм-±5%" CR0402(1005) 9.525,18.85 r180 top
R56 "CR0402-10 кОм-±5%" CR0402(1005) 7.4,18.85 r0 top
R57 "CR0402-100 Ом-±TOLERANCE" CC0402(1005)_OCT 23.5,44.5 r0 bottom
R58 "CR0402-10 кОм-±5%" CR0402(1005) 9.85,24.175 r0 top
R59 "CR0402-10 кОм-±5%" CR0402(1005) 11.825,22.85 r90 top
R62 "CR0402-0 Ом-±5%" CR0402(1005) 24.125,65.85 r0 top
R63 "CR0402-10 кОм-±5%" CR0402(1005)_OCT 43,44 r90 bottom
R64 "YC248-JR-07-51 Ом" YC248 17.125,26.2 r90 top
R65 "YC248-JR-07-51 Ом" YC248 17.125,17.3 r90 top
R66 "YC248-JR-07-51 Ом" YC248 17.15,21.75 r90 top
R67 "CR0402-100 Ом-±TOLERANCE" CR0402(1005) 24.825,24.425 r90 bottom
R68 "CR0402-240 Ом-±TOLERANCE" CR0402(1005) 27.675,23.2 r0 bottom
R69 "CR0402-100 Ом-±TOLERANCE" CR0402(1005)_OCT 46,37 r270 bottom
R70 "CR0402-240 Ом-±TOLERANCE" CR0402(1005) 34.775,21.95 r270 bottom
R71 "CR0402-2 кОм-±5%" CR0402(1005) 20.375,18.225 r0 bottom
R72 "CR0402-4.7 кОм-±5%" CR0402(1005) 38.125,25.275 r270 bottom
R73 "CR0402-100 кОм-±5%" CR0402(1005) 1.125,14.475 r90 top
R74 "CR0402-10 кОм-±5%" CR0402(1005) 1.125,16.6 r270 top
R75 "CR0402-10 кОм-±5%" CR0402(1005) 6.6,14.2 r270 top
R76 "CR0402-10 кОм-±5%" CR0402(1005) 4.825,12.15 r0 top
R77 "CR0402-4.7 кОм-±5%" CR0402(1005)_OCT 45,41 r270 bottom
R78 "CR0402-100 Ом-±5%" CR0402(1005)_OCT 50.786,71.117 r90 bottom
R79 "CR0402-200 Ом-±5%" CR0402(1005)_OCT 50.775,73.125 r90 bottom
R80 "CR0402-100 Ом-±5%" CR0402(1005)_OCT 49.625,71.1 r90 bottom
R81 "CR0402-200 Ом-±5%" CR0402(1005)_OCT 49.625,73.175 r270 bottom
R82 "CR0402-100 Ом-±5%" CR0402(1005)_OCT 47.025,71.3 r90 bottom
R83 "CR0402-200 Ом-±5%" CR0402(1005)_OCT 47.025,73.15 r90 bottom
R84 "CR0402-100 Ом-±5%" CR0402(1005)_OCT 48.125,71.3 r90 bottom
R85 "CR0402-200 Ом-±5%" CR0402(1005)_OCT 48.1,73.125 r270 bottom
R86 "CR0402-100 Ом-±5%" CR0402(1005)_OCT 29.675,71.625 r90 top
R87 "CR0402-200 Ом-±5%" CR0402(1005)_OCT 29.675,73.85 r90 top
R88 "CR0402-100 Ом-±5%" CR0402(1005)_OCT 30.675,71.625 r90 top
R89 "CR0402-200 Ом-±5%" CR0402(1005)_OCT 30.65,73.9 r270 top
R90 "CR0402-100 Ом-±5%" CR0402(1005)_OCT 43.15,71.425 r90 bottom
R91 "CR0402-200 Ом-±5%" CR0402(1005)_OCT 43.15,73.225 r90 bottom
R92 "CR0402-100 Ом-±5%" CR0402(1005)_OCT 42,71.425 r90 bottom
R93 "CR0402-200 Ом-±5%" CR0402(1005)_OCT 42,73.225 r270 bottom
R94 "CR0402-100 Ом-±5%" CR0402(1005)_OCT 45.7,71.45 r90 bottom
R95 "CR0402-200 Ом-±5%" CR0402(1005)_OCT 45.65,73.325 r90 bottom
R96 "CR0402-100 Ом-±5%" CR0402(1005)_OCT 44.5,71.3 r90 bottom
R97 "CR0402-200 Ом-±5%" CR0402(1005)_OCT 44.45,73.225 r270 bottom
R98 "CR0402-100 Ом-±5%" CR0402(1005) 39.65,71.35 r90 top
R99 "CR0402-200 Ом-±5%" CR0402(1005) 39.625,73.4 r90 top
R100 "CR0402-200 Ом-±5%" CR0402(1005) 40.675,73.4 r270 top
R101 "CR0402-100 Ом-±5%" CR0402(1005) 40.725,71.35 r90 top
R102 "CR0402-100 Ом-±5%" CR0402(1005) 38.3,71.375 r90 top
R103 "CR0402-200 Ом-±5%" CR0402(1005) 38.3,73.325 r90 top
R104 "CR0402-200 Ом-±5%" CR0402(1005) 37.125,73.375 r270 top
R105 "CR0402-100 Ом-±5%" CR0402(1005) 37.125,71.375 r90 top
R106 "CR0402-100 Ом-±5%" CR0402(1005) 35.8,71.475 r90 top
R107 "CR0402-200 Ом-±5%" CR0402(1005) 35.75,73.4 r90 top
R108 "CR0402-200 Ом-±5%" CR0402(1005) 34.55,73.45 r270 top
R109 "CR0402-100 Ом-±5%" CR0402(1005) 34.625,71.5 r90 top
R110 "CR0402-100 Ом-±5%" CR0402(1005) 32.1,71.5 r90 top
R111 "CR0402-200 Ом-±5%" CR0402(1005) 32.15,73.575 r90 top
R112 "CR0402-200 Ом-±5%" CR0402(1005) 33.375,73.525 r270 top
R113 "CR0402-100 Ом-±5%" CR0402(1005) 33.325,71.325 r90 top
R114 "CR0402-100 Ом-±5%" CR0402(1005) 52.25,71.05 r90 bottom
R115 "CR0402-200 Ом-±5%" CR0402(1005) 52.3,73.125 r90 bottom
R116 "CR0402-200 Ом-±5%" CR0402(1005) 53.6,73.175 r270 bottom
R117 "CR0402-100 Ом-±5%" CR0402(1005) 53.475,70.95 r90 bottom
R118 "CR0402-10 кОм-±5%" CR0402(1005)_OCT 26.5,39.5 r180 bottom
R119 "CR0402-240 Ом-±5%" CR0402(1005) 73.225,40.15 r90 top
R120 "CR0402-10 кОм-±5%" CR0402(1005)_OCT 45.5,60.5 r0 bottom
R121 "CR0805-0 Ом-±5%" CR0805 52.15,41.25 r90 bottom
R122 "CR0402-45.3 кОм-±1%" CR0402(1005) 52.75,32.65 r270 top
R123 "CR0805-0 Ом-±5%" CR0805 16.269,67.41 r270 top
R124 "CR0402-7.15 кОм-±1%" CR0402(1005) 52.75,30.8 r90 top
R125 "CR0805-0 Ом-±5%" CR0805 54.1,41.25 r90 bottom
R126 "CR0402-45.3 кОм-±1%" CR0402(1005) 7.469,68.91 r0 top
R127 "CR0402-21.0 кОм-±1%" CR0402(1005) 6.919,67.385 r90 top
R128 "CR0402-45.3 кОм-±1%" CR0402(1005) 55.1,28.375 r270 bottom
R129 "CR0402-3.16 кОм-±1%" CR0402(1005) 56.025,30.375 r0 bottom
R130 "CR0402-45.3 кОм-±1%" CR0402(1005) 53.6,28.1 r90 bottom
R131 "CR0402-10 кОм-±5%" CR0402(1005) 3.844,66.385 r0 top
R132 "CR0402-14.3кОм-±1%" CR0402(1005) 57.375,28.55 r270 top
R133 "CR0402-130 Ом-±1%" CR0402(1005) 52.6,28.1 r270 bottom
R134 "CR0402-0 Ом-±5%" CR0402(1005) 1.694,66.385 r0 top
R135 "CR0402-0 Ом-±5%" CR0402(1005) 1.694,67.41 r180 top
R136 "CR0402-0 Ом-±5%" CR0402(1005) 3.844,67.335 r0 top
R137 "CR0402-1.65 кОм-±1%" CR0402(1005) 54.85,27.25 r270 top
R138 "CR0402-0 Ом-±5%" CR0402(1005) 28.975,66 r180 top
R139 "CR0402-0 Ом-±5%" CR0402(1005) 1.694,65.36 r0 top
R140 "CR0402-12.1 кОм-±1%" CR0402(1005) 55.5,26.7 r180 bottom
R141 "CR0402-0 Ом-±5%" CR0402(1005) 3.844,65.36 r0 top
R142 "CR0402-10 кОм-±1%" CR0402(1005) 56.15,28.375 r90 bottom
R143 "CR0402-0 Ом-±5%" CR0402(1005) 75.725,-12.825 r0 top
R144 "CR0402-22 Ом-±5%" CR0402(1005) 1.478,62.101 r180 top
R145 "CR0402-3.16 кОм-±1%" CR0402(1005) 56.225,59.6 r0 bottom
R146 "CR0402-0 Ом-±5%" CR0402(1005) 71.525,-6.075 r270 top
R147 "CR0402-0 Ом-±5%" CR0402(1005) 47.092,27.297 r180 bottom